# Altium PCB MMB_Controller_Board.pcbdoc (part 3 of 3)
Units mm, origin at the board's own origin, x right, y up, seen from the top; angles counter-clockwise.
Board outline 85 x 50 mm, 8 copper layers (Layer 1, Layer 2P, Layer 3, Layer 4 Pow, Layer 5, Layer 6, Layer 7P, Layer 8), stack 1.701 mm thick; 249 components, 205 nets, 935 pads, 357 vias.
Unrouted connection lines stored in the file: 68.
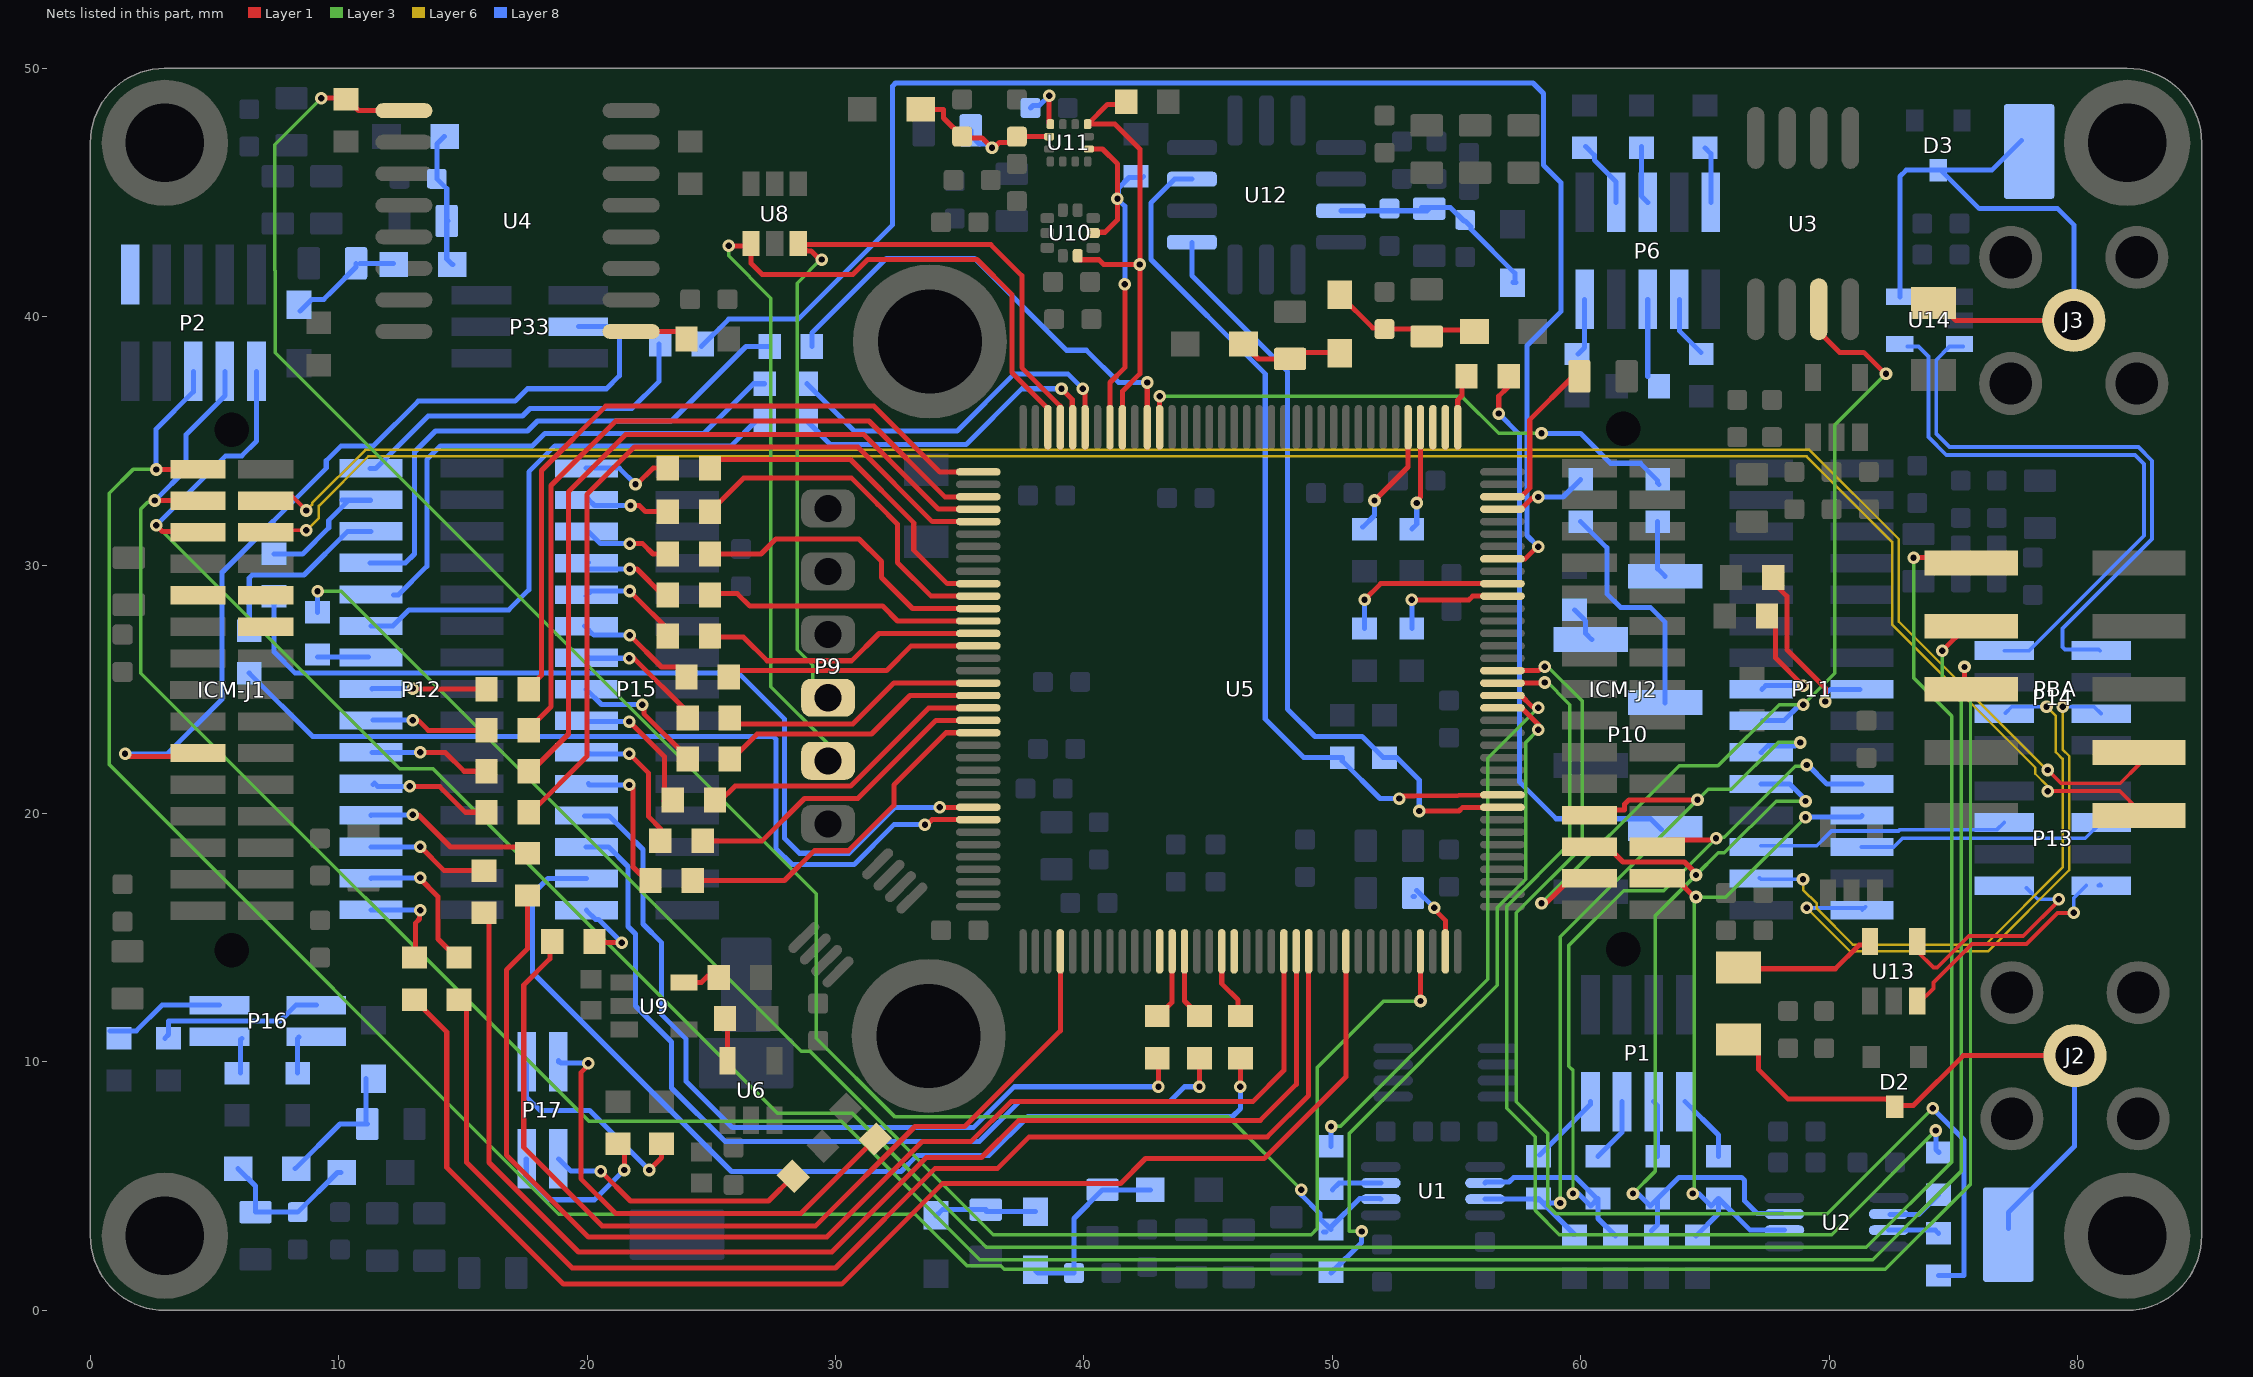
[diagram p9: the nets of this part, all layers, seen from the top]

## Via types
v1: diameter 0.508, hole 0.254, Layer 1 to Layer 8, 357 vias

## Nets (pads, with @x,y where several pads share a name; then routed paths per layer and width w, separated by ;. In a path a pad name is that pad's centre, name@x,y a point inside that pad or via, vN(x,y) a via of type N, cw(c..) or ccw(c..) an arc to the next point about the centre after c; other vN are vias at no path point) (continued)
ICM_TMS: ICM-J1.20 P33.4 | length 35.9
  Layer 1 w0.203: v1(1.4,22.4) 1.5,22.3 4.202,22.3 ICM-J1.20@4.335,22.432
  Layer 8 w0.203: v1(1.4,22.4) 3.1,22.4 5.3,24.6 5.3,29.7 9.5,33.9 9.5,34.2 10.1,34.8 11.4,34.8 13.2,36.6 17.1,36.6 17.6,37.1 20.781,37.1 21.3,37.619 21.3,39.3 21,39.6 P33.4@19.65,39.6
ICM_USB_D_N: ICM-J1.11
ICM_USB_D_P: ICM-J1.9
ICM_USB_P5V: ICM-J1.10
ICM_WP_ADR_0: ICM-J1.2 P2.6 PBA.6 | length 126.4
  Layer 1 w0.203: v1(2.65,33.85) ICM-J1.2@4.3,33.85 ; v1(75.45,25.9) 75.45,25.3 PBA.6@75.8,24.95
  Layer 3 w0.14: v1@2.667,33.909 2.608,33.85 1.719,33.85 0.762,32.893 0.762,21.971 18.859,3.874 33.21,3.874 35.293,1.791 36.657,1.791 36.797,1.651 72.263,1.651 75.692,5.08 75.692,24.844 75.45,25.086 v1(75.45,25.9) v1@75.52,25.83
  Layer 8 w0.203: v1(2.65,33.85) 2.65,35.475 4.15,36.975 P2.6@4.15,37.8
ICM_WP_ADR_1: ICM-J1.4 P2.8 PBA.8 | length 122.9
  Layer 1 w0.203: v1(2.6,32.6) ICM-J1.4@4.35,32.6 ; v1(74.55,26.55) 75.55,27.55 PBA.8@75.95,27.55
  Layer 3 w0.14: v1@2.54,32.639 2.431,32.53 2.304,32.53 2.032,32.258 2.032,25.654 20.066,7.62 30.226,7.62 35.814,2.032 71.755,2.032 75.311,5.588 75.311,24.511 74.55,25.272 v1(74.55,26.55)
  Layer 8 w0.203: v1@2.65,32.65 3.85,33.85 3.85,35.25 5.42,36.82 P2.8@5.42,37.8
ICM_WP_ADR_2: ICM-J1.6 P2.10 PBA.10 | length 122.8
  Layer 1 w0.203: v1(2.65,31.6) 2.9,31.35 4.35,31.35 ICM-J1.6@4.4,31.3 ; v1(73.4,30.3) 75.2,30.3 PBA.10@75.4,30.1
  Layer 3 w0.14: v1(2.65,31.6) 12.45,21.8 13.798,21.8 27.674,7.925 30.683,7.925 36.068,2.54 71.501,2.54 74.93,5.969 74.93,23.924 73.4,25.454 v1(73.4,30.3)
  Layer 8 w0.203: v1@2.7,31.65 5.45,34.4 6.1,34.4 6.69,34.99 P2.10@6.69,37.8
ICM_WP_N: ICM-J1.5 PBA.1 | length 85.6
  Layer 1 w0.152: ICM-J1.5@7.065,31.323 7.343,31.6 7.543,31.4 v1(8.7,31.4) ; v1(78.8,20.9) 81.7,20.9 82.475,20.125 PBA.1@82.475,19.92 ; PBA.1@82.655,19.8 PBA.1@82.775,19.92
  Layer 6 w0.102: v1(8.7,31.4) 9.2,31.9 9.2,32.385 11.19,34.375 69.098,34.375 72.536,30.937 72.536,27.612 78.299,21.849 78.299,21.601 78.8,21.1 v1(78.8,20.9)
ICM_WP_P: ICM-J1.3 PBA.3 | length 85.2
  Layer 1 w0.152: ICM-J1.3@7.065,32.592 7.273,32.8 8.1,32.8 v1(8.7,32.2) ; v1(78.8,21.75) 79.333,21.217 81.717,21.217 82.475,21.975 PBA.3@82.475,22.46 PBA.3@82.537,22.398
  Layer 6 w0.102: v1(8.7,32.2) 8.933,32.433 8.933,32.496 11.079,34.642 69.208,34.642 72.802,31.048 72.802,27.723 78.775,21.75 v1(78.8,21.75)
INTLK_0: ICM-J2.24 P11.20 R1.2 R2.2 U1.7 | length 34.6
  Layer 1 w0.203: ICM-J2.24@60.35,19.93 61.093,19.93 61.303,20.14 61.771,20.14 61.771,20.38 61.941,20.55 v1(64.7,20.55)
  Layer 3 w0.14: v1(59.182,4.318) 59.182,15.032 v1(64.7,20.55) ; v1@64.77,20.62 65.13,20.98 66.065,20.98 67.945,22.86 v1(68.834,22.86)
  Layer 8 w0.203: U1.7@56.15,4.475 58.225,4.475 R1.2@58.25,4.45 ; R1.2@58.3,4.5 R1.2@58.482,4.318 ; v1(59.182,4.318) R1.2@58.482,4.318 ; R2.2@59.75,3.05 R1.2@58.482,4.318 ; P11.20@67.268,22.46 67.535,22.727 68.618,22.727
INTLK_0_LV: R24.1 R27.2 U1.2 U4.9 | length 78
  Layer 1 w0.203: v1(9.3,48.8) 10.2,48.8 10.25,48.75 R24.1@10.3,48.75 ; R24.1@10.35,48.75 10.8,48.3 12.62,48.3 U4.9@12.625,48.295
  Layer 3 w0.14: v1(9.3,48.8) 7.425,46.925 7.425,41.874 7.45,41.848 7.45,38.552 29.225,16.776 29.225,10.955 32.397,7.784 45.816,7.784 v1(48.75,4.85)
  Layer 8 w0.203: v1(48.75,4.85) 48.75,4.65 49.5,3.9 49.5,3.7 R27.2@49.95,3.25 49.95,3.35 51.1,4.5 51.925,4.5 U1.2@51.95,4.475 ; R27.2@49.65,3.15 R27.2@49.75,3.15
INTLK_1: ICM-J2.25 P11.21 R3.2 R5.2 U1.6 | length 35.5
  Layer 1 w0.203: ICM-J2.25@63.2,18.65 63.477,18.927 v1@65.294,18.927
  Layer 3 w0.14: v1(59.69,4.699) 59.69,9.657 59.519,9.829 59.519,14.688 61.725,16.894 63.344,16.894 65.389,18.939 v1(65.45,19) ; v1@65.466,18.984 65.532,19.05 65.786,19.05 68.636,21.9 69.05,21.9 v1(69.1,21.95)
  Layer 8 w0.203: U1.6@56.15,5.125 56.188,5.163 57.113,5.163 57.3,5.35 59.8,5.35 R3.2@60.65,4.5 ; v1(59.69,4.699) 59.901,4.699 60.4,4.2 R3.2@60.7,4.5 60.7,3.7 R5.2@61.4,3 ; v1(69.1,21.95) 69.15,21.95 69.91,21.19 P11.21@71.332,21.19
INTLK_1_LV: R28.2 U1.3 | length 2.1
  Layer 8 w0.203: R28.2@50,4.85 50.275,5.125 U1.3@51.95,5.125
INTLK_2: ICM-J2.26 P11.22 R4.2 R7.2 U2.7 | length 35.5
  Layer 1 w0.203: ICM-J2.26@60.45,18.7 61.053,18.7 61.703,18.05 64.18,18.05 64.643,17.587 v1(64.643,17.526)
  Layer 3 w0.14: v1(62.103,4.699) 62.992,5.588 62.992,15.875 v1(64.643,17.526) 65.532,18.415 65.786,18.415 67.871,20.5 v1(69.05,20.5)
  Layer 8 w0.203: v1(62.103,4.699) 62.301,4.699 62.8,4.2 R4.2@63.1,4.5 ; R7.2@62.85,3.2 63.1,3.45 R4.2@63.1,4.5 ; P11.22@67.268,21.19 68.41,21.19 v1@69.05,20.55 ; U2.7@68.1,3.9 68.095,3.905 67.095,3.905 66.6,4.4 66.6,5.231 66.481,5.35 63.95,5.35 R4.2@63.1,4.5
INTLK_2_LV: R29.2 U2.2 | length 2.3
  Layer 8 w0.203: U2.2@72.45,3.85 73.6,3.85 R29.2@74.4,4.65
INTLK_3: ICM-J2.27 P11.23 R6.2 R8.2 U2.6 | length 28.2
  Layer 1 w0.203: ICM-J2.27@63.2,17.4 63.813,17.4 64.576,16.637 v1(64.643,16.637)
  Layer 3 w0.14: v1(64.516,4.699) 64.58,4.763 64.58,16.573 v1(64.643,16.637) 65.837,16.637 69.012,19.812 v1@69.088,19.812
  Layer 8 w0.203: v1(64.516,4.699) 64.751,4.699 65.25,4.2 R6.2@65.55,4.5 ; R8.2@64.65,3 65.55,3.9 R6.2@65.55,4.5 ; U2.6@68.2,3.225 66.825,3.225 R6.2@65.55,4.5 ; v1@69.1,19.75 69.1,19.759 69.191,19.85 71.262,19.85 P11.23@71.332,19.92
  other v1: 69.05,19.85
INTLK_3_LV: R30.2 U2.3 | length 2.1
  Layer 8 w0.203: U2.3@72.4,3.225 74.275,3.225 R30.2@74.4,3.1
MCU_GPIO_PA4: R72.2 U5.40 | length 38.1
  Layer 1 w0.203: R72.2@18.5,14.85 18.5,14.15 17.45,13.1 17.45,6.55 20.6,3.4 29.2,3.4 33.2,7.4 35.2,7.4 39.05,11.25 U5.40@39.05,14.45
MCU_GPIO_PA9: R42.2 U5.101 | length 62.7
  Layer 1 w0.203: U5.101@56.869,30.269 U5.101@56.85,30.25 57.762,30.25 58.246,30.734 v1(58.293,30.734)
  Layer 8 w0.203: R42.2@24.6,38.8 25.7,39.9 28.5,39.9 32.3,43.7 32.3,49.288 32.419,49.407 41.107,49.407 41.109,49.405 58.076,49.405 58.5,48.981 58.5,46.1 59.2,45.4 59.2,40.2 57.836,38.836 57.836,31.191 v1(58.293,30.734)
MCU_GPIO_PB4: R46.2 U5.134 | length 19.2
  Layer 1 w0.203: U5.134@42.55,35.5 v1(42.55,37.35)
  Layer 8 w0.203: R46.2@29.05,38.8 29.05,39.35 32.05,42.35 35.6,42.35 39.3,38.65 40.1,38.65 41.4,37.35 v1(42.55,37.35)
MCU_GPIO_PB8: R47.2 U5.139 | length 14.3
  Layer 1 w0.203: v1(39.95,37.1) 40.05,37 U5.139@40.05,35.95
  Layer 8 w0.203: R47.2@28.85,37.3 30.75,35.4 34.9,35.4 37.2,37.7 39.35,37.7 v1(39.95,37.1)
MCU_GPIO_PB9: R48.2 U5.140 | length 13.3
  Layer 1 w0.203: v1(39.1,37.1) 39.531,36.669 39.531,35.569 U5.140@39.55,35.55
  Layer 8 w0.203: R48.2@28.85,35.8 29.8,34.85 35.25,34.85 37.5,37.1 v1(39.1,37.1)
MCU_GPIO_PB10: R49.2 U5.69 | length 65.7
  Layer 1 w0.203: v1(53.55,12.45) U5.69@53.55,14.45
  Layer 3 w0.14: v1(9.15,28.95) 10.098,28.95 28.624,10.425 28.975,10.425 36.352,3.048 49.149,3.048 49.403,3.302 49.403,9.779 52.074,12.45 v1(53.55,12.45)
  Layer 8 w0.203: R49.2@9.15,28.1 v1(9.15,28.95)
MCU_GPIO_PC2: R44.2 U5.28 | length 37.5
  Layer 1 w0.203: v1(34.2,20.25) 34.974,20.25 U5.28@35.75,20.25
  Layer 8 w0.203: R44.2@7.4,28.75 7.4,26.5 8.25,25.65 26.1,25.65 27.955,23.795 27.955,18.995 28.55,18.4 30.55,18.4 32.4,20.25 v1(34.2,20.25)
MCU_GPIO_PC3: R45.2 U5.29 | length 35.9
  Layer 1 w0.203: v1(33.6,19.55) 33.682,19.55 33.882,19.75 U5.29@35.75,19.75
  Layer 8 w0.203: R45.2@6.4,25.65 8.95,23.1 27.5,23.1 27.6,23 27.6,18.6 28.25,17.95 30.75,17.95 32.35,19.55 v1(33.6,19.55)
MCU_GPIO_PE2: R50.2 U5.1 | length 28.8
  Layer 1 w0.203: R50.2@17.65,25.05 18.161,25.561 18.161,33.811 20.75,36.4 31.55,36.4 34.2,33.75 U5.1@35.75,33.75 U5.1@35.731,33.731
MCU_GPIO_PE4: R51.2 U5.3 | length 29.9
  Layer 1 w0.203: R51.2@17.65,23.25 R51.2@17.65,23.35 17.65,23.4 18.55,24.3 18.55,33.2 21.15,35.8 31.35,35.8 34.4,32.75 34.6,32.75 U5.3@35.75,32.75
MCU_GPIO_PE5: R52.2 U5.4 | length 30.6
  Layer 1 w0.203: R52.2@17.7,21.65 19.25,23.2 19.25,32.95 21.55,35.25 31.15,35.25 34.15,32.25 U5.4@35.75,32.25
MCU_GPIO_PE6: R53.2 U5.5 | length 31.6
  Layer 1 w0.203: R53.2@17.7,20.05 17.75,20.05 20,22.3 20,32.85 21.9,34.75 30.9,34.75 33.9,31.75 U5.5@35.75,31.75
MCU_GPIO_PE7: R54.2 U5.58 | length 51
  Layer 1 w0.203: R54.2@17.6,16.65 17.6,14.55 16.75,13.7 16.75,6.25 20.05,2.95 29.65,2.95 33.5,6.8 35.462,6.8 37.062,8.4 46.8,8.4 48.05,9.65 U5.58@48.05,14.45
MCU_GPIO_PE8: R55.2 U5.59 | length 52.2
  Layer 1 w0.203: R55.2@16.05,16 16.05,5.95 19.65,2.35 29.85,2.35 33.65,6.15 35.875,6.15 37.375,7.65 47.1,7.65 48.55,9.1 U5.59@48.55,14.45
MCU_GPIO_PE9: R56.2 U5.60 | length 51.1
  Layer 1 w0.203: R56.2@14.85,12.55 R56.2@14.85,12.5 15.15,12.2 15.15,5.95 19.4,1.7 30,1.7 34,5.7 36.512,5.7 37.797,6.985 47.385,6.985 49.05,8.65 49.05,13.55 U5.60@49.05,14.45
MCU_GPIO_PE10: R57.2 U5.63 | length 53.9
  Layer 1 w0.203: R57.2@13.05,12.5 14.35,11.2 14.35,5.75 19.05,1.05 30.25,1.05 34.3,5.1 41.473,5.1 42.48,6.107 47.257,6.107 50.55,9.4 50.55,12.85 ; 50.55,12.9 U5.63@50.55,14.45
MCU_GPIO_PF0: R58.2 U5.10 | length 13.7
  Layer 1 w0.203: R58.2@24.95,33.9 25.3,34.25 30.6,34.25 33.15,31.7 33.15,30.6 34.5,29.25 U5.10@35.75,29.25
MCU_GPIO_PF1: R59.2 U5.11 | length 14.2
  Layer 1 w0.203: R59.2@24.95,32.15 26.3,33.5 30.65,33.5 31.7,32.45 ; 31.725,32.425 32.5,31.65 32.5,30.1 33.85,28.75 U5.11@35.75,28.75
MCU_GPIO_PF2: R60.2 U5.12 | length 12.5
  Layer 1 w0.203: R60.2@25,30.45 27,30.45 27.6,31.05 30.95,31.05 31.85,30.15 31.85,29.5 33.1,28.25 U5.12@35.75,28.25
MCU_GPIO_PF3: R61.2 U5.13 | length 11.2
  Layer 1 w0.203: R61.2@25,28.85 26.05,28.85 26.55,28.35 31.9,28.35 32.5,27.75 34.1,27.75 U5.13@35.75,27.75
MCU_GPIO_PF4: R62.2 U5.14 | length 11.7
  Layer 1 w0.203: R62.2@24.95,27.15 25,27.1 26.3,27.1 27.25,26.15 30.65,26.15 31.75,27.25 U5.14@35.75,27.25
MCU_GPIO_PF5: R63.2 U5.15 | length 10.5
  Layer 1 w0.203: R63.2@25.8,25.5 26.05,25.75 32.05,25.75 33.05,26.75 U5.15@35.75,26.75
MCU_GPIO_PF6: R64.2 U5.18 | length 10.7
  Layer 1 w0.203: R64.2@25.8,23.85 26.05,23.6 30.7,23.6 32.35,25.25 34.5,25.25 U5.18@35.75,25.25
MCU_GPIO_PF7: R65.2 U5.19 | length 11.1
  Layer 1 w0.203: R65.2@25.75,22.1 26.85,23.2 31.45,23.2 33,24.75 U5.19@35.75,24.75
MCU_GPIO_PF8: R66.2 U5.20 | length 12
  Layer 1 w0.203: R66.2@25.3,20.45 25.95,21.1 30.6,21.1 33.75,24.25 U5.20@35.75,24.25
MCU_GPIO_PF9: R67.2 U5.21 | length 13.1
  Layer 1 w0.203: R67.2@24.65,18.9 27.05,18.9 28.75,20.6 30.9,20.6 34.05,23.75 U5.21@35.75,23.75
MCU_GPIO_PF10: R68.2 U5.22 | length 14.3
  Layer 1 w0.203: R68.2@24.4,17.3 27.95,17.3 29.15,18.5 30.518,18.5 32.35,20.332 32.35,21.15 34.45,23.25 U5.22@35.75,23.25
MCU_GPIO_PF11: R69.2 U5.49 | length 2.9
  Layer 1 w0.203: R69.2@42.95,11.8 43.55,12.4 U5.49@43.55,14.45
MCU_GPIO_PF12: R70.2 U5.50 | length 2.8
  Layer 1 w0.203: U5.50@44.05,14.45 44.05,12.45 R70.2@44.65,11.85
MCU_GPIO_PF13: R71.2 U5.53 | length 2.9
  Layer 1 w0.203: U5.53@45.55,14.45 45.55,13.15 46.2,12.5 46.2,12 R71.2@46.3,11.9
MCU_GPIO_PF14: U5.54
MCU_SER_RXD: P9.5 U5.142 U8.4 | length 41.5
  Layer 1 w0.203: v1(25.7,42.85) 26.6,42.85 26.6,42.15 27.05,41.7 30.7,41.7 31.3,42.3 35.7,42.3 37.1,40.9 37.1,37.75 38.55,36.3 U5.142@38.55,35.55
  Layer 3 w0.14: v1(25.7,42.85) 25.7,42.45 27.4,40.75 27.4,25.106 29.718,22.788 29.718,22.138 P9.5@29.7,22.12
MCU_SER_TXD: P9.4 U5.141 U8.6 | length 35.8
  Layer 1 w0.203: U8.6@28.5,43 28.85,42.65 29.018,42.65 29.368,42.3 v1(29.45,42.3) ; U8.6@28.85,42.9 36.25,42.9 37.5,41.65 37.5,37.95 39.05,36.4 U5.141@39.05,35.55
  Layer 3 w0.14: v1@29.45,42.35 28.454,41.354 28.454,26.592 29.083,25.963 29.083,25.277 P9.4@29.7,24.66
MCU_SPI3_MOSI: U5.48
MCU_SPI3_SCLK: U5.111
MCU_SWCLK: R34.1 U5.109 | length 2.2
  Layer 1 w0.203: U5.109@55.05,35.5 U5.109@55.05,35.55 55.05,36.65 55.225,36.825 55.225,37.325 R34.1@55.45,37.55
MCU_SWDIO: R35.1 U5.105 | length 3.6
  Layer 1 w0.203: U5.105@56.85,32.25 57.6,32.25 58.058,32.708 58.262,32.708 v1(58.295,32.741)
  Layer 8 w0.203: v1(58.295,32.741) 59.291,32.741 R35.1@60,33.45
MCU_TDI: U5.110
MCU_TRACESWO: R33.1 U5.133 | length 22.9
  Layer 1 w0.203: U5.133@43.05,35.5 U5.133@43.05,35.55 v1(43.05,36.8)
  Layer 3 w0.14: v1(43.05,36.8) 55.2,36.8 56.694,35.306 v1(58.42,35.306)
  Layer 8 w0.203: v1(58.42,35.306) 59.994,35.306 61.2,34.1 62.4,34.1 63.1,33.4 63.1,33.3 R33.1@63.15,33.25
NetC52_2: C52.2 U5.71 | length 3
  Layer 1 w0.203: v1(54.1,16.2) 54.109,16.191 54.109,16.141 54.55,15.7 U5.71@54.55,14.45
  Layer 8 w0.203: C52.2@53.25,16.65 C52.2@53.3,16.65 ; C52.2@53.4,16.9 v1(54.1,16.2)
NetC53_2: C53.2 U5.106 | length 6.7
  Layer 1 w0.203: U5.106@56.85,32.75 57.6,32.75 57.948,33.098 57.948,35.848 59.65,37.55 C53.2@60,37.55
NetC68_2: C68.2 L13.2 L14.1 | length 4.2
  Layer 1 w0.203: L13.2@46.425,38.9 47.025,38.3 C68.2@48.3,38.3 48.55,38.55 L14.1@50.3,38.55
NetC69_2: C69.2 C70.2 L14.2 L15.1 | length 6.2
  Layer 1 w0.203: L14.2@50.3,40.875 51.625,39.55 52.033,39.55 52.05,39.533 C69.2@52.05,39.5 ; C69.2@52.1,39.5 53.5,39.5 C70.2@53.8,39.2 54.058,39.458 55.658,39.458 55.7,39.5 L15.1@55.7,39.55
NetC75_2: C75.2 L16.2 L17.1 | length 4.5
  Layer 8 w0.203: L16.2@8.45,40.225 8.925,40.7 9.4,40.7 9.75,41.05 10.7,42 C75.2@10.7,42.15 ; C75.2@10.85,42.15 L17.1@12.2,42.15
NetC76_2: C76.2 C77.2 L17.2 L18.1 | length 5.6
  Layer 8 w0.203: L18.1@14.25,47.25 13.95,46.95 C76.2@13.95,45.55 14.35,45.15 C77.2@14.35,43.9 ; C77.2@14.4,43.85 C77.2@14.35,43.9 ; L17.2@14.6,42.1 L17.2@14.575,42.1 14.35,42.325 C77.2@14.35,43.85 C77.2@14.35,43.9
NetC82_2: C82.2 L19.2 L20.1 | length 5.5
  Layer 8 w0.203: L20.1@8.25,5.7 10.05,7.5 C82.2@11.15,7.5 11.1,7.55 L19.2@11.1,9.325
NetC83_2: C83.2 C84.2 L20.2 L21.1 | length 6.2
  Layer 8 w0.203: L20.2@5.95,5.7 6.65,5 C84.2@6.65,3.95 C83.2@8.35,3.95 9.95,5.55 L21.1@10.1,5.55
NetC89_2: C89.2 L22.2 L23.1 | length 4.1
  Layer 8 w0.203: L22.2@34.05,3.8 34.3,4.05 C89.2@36.05,4.05 ; C89.2@36.05,4 36.075,3.975 L23.1@38.05,3.975
NetC90_2: C90.2 C91.2 L23.2 L24.1 | length 7.3
  Layer 8 w0.203: L23.2@38.05,1.6 38.15,1.5 C90.2@39.6,1.5 39.6,3.7 C91.2@40.75,4.85 L24.1@42.675,4.85
NetC100_2: C100.2 C101.2 C134.2 L27.1 U11.5 | length 7.5
  Layer 1 w0.203: L27.1@33.4,48.35 34.35,48.35 34.35,48 C101.2@35.1,47.25 35.15,47.2 35.9,47.2 v1(36.3,46.8) 36.382,46.8 36.595,47.013 37.063,47.013 C100.2@37.3,47.25 U11.5@38.6,47.25
  Layer 8 w0.203: C134.2@35.45,47.5 35.45,47.3 35.798,46.952 36.066,46.952 36.218,46.8 v1(36.3,46.8)
NetC104_1: C104.1 U11.4 | length 2.1
  Layer 1 w0.203: v1(38.6,48.9) 38.6,47.8 U11.4@38.65,47.75
  Layer 8 w0.203: C104.1@37.85,48.4 37.955,48.505 38.205,48.505 v1(38.6,48.9)
NetC108_2: C108.2 C109.2 C110.2 L28.1 U12.10 | length 9
  Layer 8 w0.203: U12.10@50.35,44.265 52.3,44.265 53.815,44.265 C110.2@53.9,44.35 ; C110.2@53.6,44.4 53.9,44.4 54.75,44.4 C109.2@55.3,43.85 ; C109.2@55.35,43.85 55.58,43.62 55.58,43.52 57.35,41.75 57.35,41.45 57.275,41.375 L28.1@57.4,41.375
NetD2_3: D2.3 J2.1 R39.1 TP3.1 | length 23.5
  Layer 1 w0.203: R39.1@67.15,10.8 67.15,9.7 68.35,8.5 72.3,8.5 D2.3@72.6,8.2 ; D2.3@72.65,8.25 73.401,8.25 75.401,10.25 J2.1@79.9,10.25 J2.1@79.75,10.1
  Layer 8 w0.203: TP3.1@77.216,3.302 77.216,3.937 79.883,6.604 79.883,10.233 J2.1@79.9,10.25
NetD3_3: D3.3 J3.1 R43.2 TP5.1 U14.5 | length 26.2
  Layer 1 w0.203: R43.2@74.325,40.625 75.1,39.85 79.6,39.85 J3.1@79.7,39.75
  Layer 8 w0.203: U14.5@72.85,40.8 72.85,45.65 73.1,45.9 D3.3@74.4,45.9 D3.3@74.5,45.9 ; TP5.1@77.75,47.1 76.55,45.9 D3.3@74.5,45.9 ; J3.1@79.85,39.85 79.85,43.7 79.2,44.35 76.05,44.35 D3.3@74.5,45.9
NetID0_1: ID0.1 U5.98 | length 4.9
  Layer 1 w0.203: v1(53.2,28.6) 55.5,28.6 55.65,28.75 U5.98@56.85,28.75
  Layer 8 w0.203: ID0.1@53.2,27.45 v1(53.2,28.6)
NetID1_1: ID1.1 U5.99 | length 7
  Layer 1 w0.203: v1(51.3,28.6) 51.95,29.25 U5.99@56.85,29.25
  Layer 8 w0.203: ID1.1@51.3,27.45 v1(51.3,28.6)
NetID2_1: ID2.1 U5.112 | length 4.2
  Layer 1 w0.203: v1(53.4,32.5) 53.4,32.582 53.55,32.732 U5.112@53.55,35.55
  Layer 8 w0.203: ID2.1@53.2,31.45 53.4,31.65 v1(53.4,32.5)
NetID3_1: ID3.1 U5.113 | length 4.8
  Layer 1 w0.203: v1(51.7,32.6) 53.05,33.95 U5.113@53.05,35.55
  Layer 8 w0.203: ID3.1@51.225,31.525 51.7,32 v1(51.7,32.6)
NetP1_2: P1.2 R1.1 | length 3
  Layer 8 w0.203: R1.1@58.35,6.25 60.395,8.295 P1.2@60.395,8.4
NetP1_4: P1.4 R3.1 | length 2.6
  Layer 8 w0.203: R3.1@60.7,6.2 61.665,7.165 P1.4@61.665,8.4
NetP1_6: P1.6 R4.1 | length 2.3
  Layer 8 w0.203: P1.6@62.935,8.4 63.1,8.235 R4.1@63.1,6.2
NetP1_8: P1.8 R6.1 | length 2.8
  Layer 8 w0.203: P1.8@64.205,8.4 65.55,7.055 R6.1@65.55,6.2
NetP6_2: P6.2 R11.1 | length 2.3
  Layer 8 w0.203: R11.1@59.9,38.5 60.16,38.76 P6.2@60.16,40.7
NetP6_3: P6.3 R12.2 | length 2.8
  Layer 8 w0.203: R12.2@60.2,46.85 60.548,46.502 60.548,46.307 61.43,45.425 P6.3@61.43,44.6
NetP6_5: P6.5 R13.2 | length 2.4
  Layer 8 w0.203: R13.2@62.45,46.85 R13.2@62.45,46.8 62.45,44.85 P6.5@62.7,44.6
NetP6_6: P6.6 R14.1 | length 3.1
  Layer 8 w0.203: P6.6@62.7,40.7 62.7,37.6 R14.1@62.713,37.587
NetP6_8: P6.8 R15.1 | length 2.5
  Layer 8 w0.203: P6.8@63.97,40.7 63.97,39.43 R15.1@64.85,38.55
NetP6_9: P6.9 R16.2 | length 2.3
  Layer 8 w0.203: R16.2@65,46.8 65.24,46.56 P6.9@65.24,44.6
NetP10_2: P10.2 R34.2 | length 23.3
  Layer 1 w0.203: v1(56.7,36.1) 56.7,36.8 57.05,37.15 R34.2@57.05,37.55
  Layer 8 w0.203: v1(56.7,36.1) 57.531,35.269 57.531,21.272 59.015,19.788 62.812,19.788 P10.2@63.25,19.35
NetP10_4: P10.4 R35.2 | length 9.4
  Layer 8 w0.203: R35.2@60,31.75 61.05,30.7 61.05,28.85 61.6,28.3 62.8,28.3 63.4,27.7 P10.4@63.4,24.47 P10.4@63.4,24.45
NetP10_5: P10.5 R36.2 | length 1.5
  Layer 8 w0.203: R36.2@59.75,28.2 60.2,27.75 60.2,27.25 P10.5@60.45,27
NetP10_6: P10.6 R33.2 | length 2.3
  Layer 8 w0.203: R33.2@63.1,31.75 63.1,29.85 P10.6@63.4,29.55
NetP11_15: P11.15 R40.2 | length 7.5
  Layer 1 w0.203: R40.2@67.75,29.35 67.75,29.3 68.3,28.75 68.3,26.6 69.85,25.05 v1(69.85,24.511)
  Layer 8 w0.203: v1(69.85,24.511) 69.85,24.8 70.05,25 P11.15@71.25,25
NetP11_16: P11.16 R41.1 | length 5.4
  Layer 1 w0.203: R41.1@67.2,27.85 67.55,27.85 67.848,27.552 67.848,26.259 v1(68.961,25.146)
  Layer 8 w0.203: P11.16@67.3,25 67.446,25.146 v1(68.961,25.146)
NetP12_2: P12.2 R42.1 | length 14.6
  Layer 8 w0.203: P12.2@11.268,33.89 11.49,33.89 13.6,36 17.4,36 17.7,36.3 21.8,36.3 22.9,37.4 R42.1@22.9,38.9
NetP12_4: P12.4 R44.1 | length 6.1
  Layer 8 w0.203: R44.1@7.4,30.45 8.55,30.45 9.6,31.5 9.6,31.8 10.41,32.61 P12.4@11.28,32.61 ; P12.4@10.143,32.62 P12.4@11.268,32.62
NetP12_6: P12.6 R45.1 | length 7.8
  Layer 8 w0.203: R45.1@6.4,27.35 6.4,29.481 6.519,29.6 8.6,29.6 10.36,31.36 P12.6@11.3,31.36
NetP12_8: P12.8 R46.1 | length 22.1
  Layer 8 w0.203: P12.8@11.268,30.08 12.68,30.08 13.05,30.45 13.05,34.55 13.9,35.4 17.6,35.4 18,35.8 23.4,35.8 26.4,38.8 R46.1@27.35,38.8
NetP12_10: P12.10 R47.1 | length 21
  Layer 8 w0.203: P12.10@12.2,28.8 12.4,28.8 13.55,29.95 13.55,34.25 14.1,34.8 17.8,34.8 18.3,35.3 24.7,35.3 26.7,37.3 R47.1@27.15,37.3
NetP12_12: P12.12 R48.1 | length 22
  Layer 8 w0.203: P12.12@11.3,27.55 12.18,27.55 12.83,28.2 16.85,28.2 17.653,29.003 17.653,33.753 18.7,34.8 25.8,34.8 26.8,35.8 R48.1@27.15,35.8
NetP12_14: P12.14 R49.1 | length 2.1
  Layer 8 w0.203: R49.1@9.15,26.3 P12.14@11.2,26.3
NetP12_16: P12.16 R50.1 | length 4.7
  Layer 1 w0.203: v1@12.954,25.019 15.931,25.019 R50.1@15.95,25
  Layer 8 w0.203: P12.16@11.332,25.01 11.351,25.029 v1(12.986,25.029)
NetP12_18: P12.18 R51.1 | length 4.7
  Layer 1 w0.203: v1@12.954,23.749 13.201,23.749 13.6,23.35 R51.1@15.9,23.35
  Layer 8 w0.203: P12.18@11.382,23.76 11.383,23.759 v1(12.986,23.759)
NetP12_20: P12.20 R52.1 | length 4.9
  Layer 1 w0.203: v1@13.25,22.45 14.3,22.45 15.05,21.7 R52.1@15.9,21.7
  Layer 8 w0.203: P12.20@11.332,22.46 v1(13.282,22.46)
NetP12_22: P12.22 R53.1 | length 5.1
  Layer 1 w0.203: v1@12.827,21.082 14.068,21.082 15.1,20.05 R53.1@15.9,20.05
  Layer 8 w0.203: P12.22@11.382,21.16 11.441,21.219 11.568,21.092 v1(12.859,21.092)
NetP12_24: P12.24 R54.1 | length 7
  Layer 1 w0.203: v1@12.954,19.939 13.211,19.939 14.5,18.65 R54.1@17.7,18.65
  Layer 8 w0.203: P12.24@11.3,19.93 v1(12.986,19.949)